# KiCad board RASRF2400WBMC.kicad_pcb (continued)
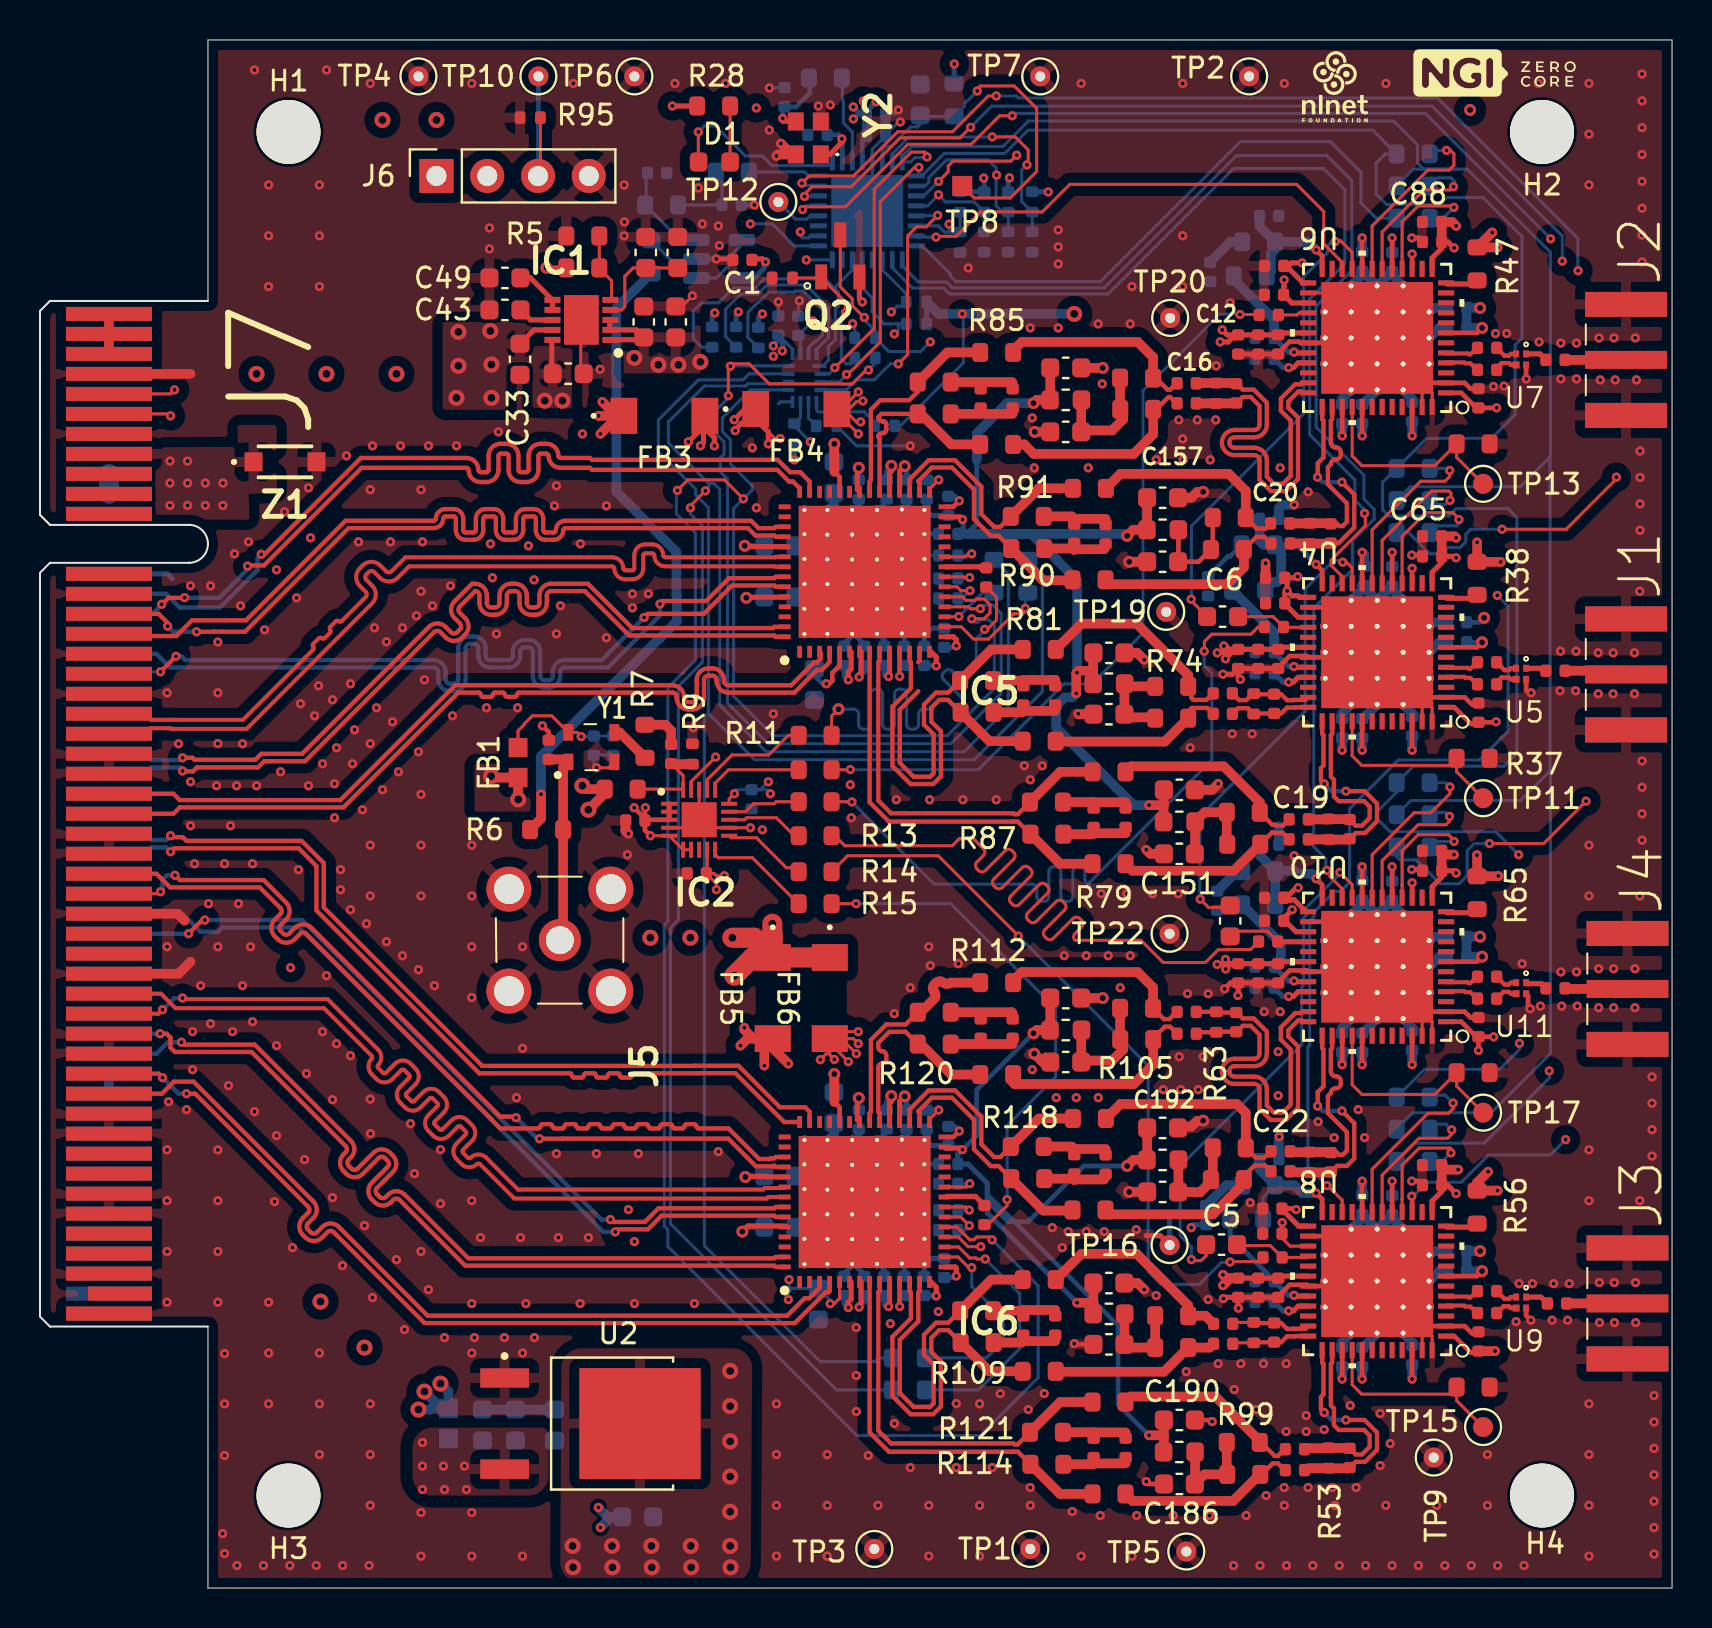
[diagram p0: board, top side]
## Nets (continued)
/uCONTROLLER&LLV-SHIFTER/LVL_SH_EN: IC3.26 R30.2 U3.7
/uCONTROLLER&LLV-SHIFTER/NRST: C53.1 IC3.6 R22.2 TP8.1
/uCONTROLLER&LLV-SHIFTER/OSC_VC: IC3.32 R3.1
/uCONTROLLER&LLV-SHIFTER/SCLK: IC3.25 J6.3 R95.2 TP10.1
/uCONTROLLER&LLV-SHIFTER/SPI_CS: IC3.22 R29.2 U3.1
/uCONTROLLER&LLV-SHIFTER/SPI_MISO: IC3.13 U3.4
/uCONTROLLER&LLV-SHIFTER/SWDIO: IC3.24 J6.2
Net-(C3-Pad1): C3.1 R2.2 R3.2
Net-(C36-Pad1): C36.1 C39.1 FB1.2 Y1.4
Net-(C44-Pad2): C44.2 R7.2
Net-(C81-Pad2): C81.2 R43.1
Net-(C104-Pad2): C104.2 R52.1
Net-(C127-Pad2): C127.2 R61.1
Net-(C150-Pad2): C150.2 R70.1
Net-(C151-Pad1): C151.1 L1.1 R71.1 R72.2
Net-(C152-Pad1): C152.1 L2.1 R73.1 R74.2
Net-(C153-Pad1): C153.1 L3.1 R75.1 R76.2
Net-(C154-Pad1): C154.1 L4.1 R77.1 R78.2
Net-(C159-Pad1): C159.1 C163.1 R87.1
Net-(C159-Pad2): C159.2 C163.2 R94.2
Net-(C160-Pad1): C160.1 C164.1 R88.1
Net-(C160-Pad2): C160.2 C164.2 R89.2
Net-(C161-Pad1): C161.1 C165.1 R90.1
Net-(C161-Pad2): C161.2 C165.2 R91.2
Net-(C162-Pad1): C162.1 C166.1 R92.1
Net-(C162-Pad2): C162.2 C166.2 R93.2
Net-(C186-Pad1): C186.1 L5.1 R98.1 R99.2
Net-(C187-Pad1): C187.1 L6.1 R100.1 R101.2
Net-(C188-Pad1): C188.1 L7.1 R102.1 R103.2
Net-(C189-Pad1): C189.1 L8.1 R104.1 R105.2
Net-(C194-Pad1): C194.1 C198.1 R114.1
Net-(C194-Pad2): C194.2 C198.2 R121.2
Net-(C195-Pad1): C195.1 C199.1 R115.1
Net-(C195-Pad2): C195.2 C199.2 R116.2
Net-(C196-Pad1): C196.1 C200.1 R117.1
Net-(C196-Pad2): C196.2 C200.2 R118.2
Net-(C197-Pad1): C197.1 C201.1 R119.1
Net-(C197-Pad2): C197.2 C201.2 R120.2
Net-(D1-A): D1.2 R28.1
Net-(D1-K): D1.1 IC3.1
Net-(IC1-BYP): C38.1 C40.1 IC1.4
Net-(IC1-EN): IC1.5 R4.1 R5.2
Net-(IC1-REF): C49.1 IC1.6 IC1.7
Net-(IC1-VREG): C43.1 IC1.8
Net-(IC2-CLKOUT1): IC2.17 R11.1
Net-(IC2-CLKOUT2): IC2.16 R10.1
Net-(IC2-CLKOUT3): IC2.14 R12.1
Net-(IC2-CLKOUT4): IC2.13 R13.1
Net-(IC2-CLKOUT5): IC2.11 R14.1
Net-(IC2-CLKOUT6): IC2.10 R15.1
Net-(IC3-PB4): IC3.28 TP12.1
Net-(IC3-PC14-OSCX_IN): C52.1 IC3.2 Y2.1
Net-(IC3-PC15-OSCX_OUT): IC3.3 R25.2
Net-(IC5-CLKM): C167.2 IC5.21
Net-(IC5-SCLK): IC5.16 R96.2
Net-(IC5-SDATA): IC5.17 R97.2
Net-(IC6-CLKM): C202.2 IC6.21
Net-(IC6-SCLK): IC6.16 R123.2
Net-(IC6-SDATA): IC6.17 R124.2
Net-(J5-I): C41.1 J5.5 R6.1 Y1.1
Net-(J7-+12V-PadA2): J7.A2 J7.A3
Net-(J7-+12V-PadB1): J7.B1 J7.B2 J7.B3
Net-(Q2-Pad1): Q2.1 R126.2 R127.2
Net-(R7-Pad1): R7.1 Y1.3
Net-(U1-+): C2.1 R2.1 U1.3
Net-(U1--): R1.2 U1.1 U1.4
Net-(U2-VIN): C35.1 C37.1 C42.1 FB2.1 U2.3
Net-(U3-DIR1): R34.1 U3.15
Net-(U3-DIR2): R33.1 U3.16
Net-(U3-DIR3): R32.1 U3.5
Net-(U3-DIR4): R31.1 U3.6
Net-(U4A-*SHDN): R38.2 U4.12
Net-(U4A-BYPASS): C76.2 U4.33
Net-(U4A-DIN): R41.2 U4.19
Net-(U4A-RSSI): R39.2 U4.16
Net-(U4A-RXHP): R37.2 TP11.1 U4.40
Net-(U4A-SCLK): R40.2 U4.18
Net-(U4A-TUNE): C79.2 R42.2 U4.32
Net-(U6A-*SHDN): R47.2 U6.12
Net-(U6A-BYPASS): C99.2 U6.33
Net-(U6A-DIN): R50.2 U6.19
Net-(U6A-RSSI): R48.2 U6.16
Net-(U6A-RXHP): R46.2 TP13.1 U6.40
Net-(U6A-SCLK): R49.2 U6.18
Net-(U6A-TUNE): C102.2 R51.2 U6.32
Net-(U8A-*SHDN): R56.2 U8.12
Net-(U8A-BYPASS): C122.2 U8.33
Net-(U8A-DIN): R59.2 U8.19
Net-(U8A-RSSI): R57.2 U8.16
Net-(U8A-RXHP): R55.2 TP15.1 U8.40
Net-(U8A-SCLK): R58.2 U8.18
Net-(U8A-TUNE): C125.2 R60.2 U8.32
Net-(U10A-*SHDN): R65.2 U10.12
Net-(U10A-BYPASS): C145.2 U10.33
Net-(U10A-DIN): R68.2 U10.19
Net-(U10A-RSSI): R66.2 U10.16
Net-(U10A-RXHP): R64.2 TP17.1 U10.40
Net-(U10A-SCLK): R67.2 U10.18
Net-(U10A-TUNE): C148.2 R69.2 U10.32
Net-(Y2-X2): C54.1 R25.1 Y2.3

Pads without a net: IC2 8; IC3 20 23 27; IC5 1 2 24 25 26 37 39 40 43 44 53 54; IC6 1 2 24 25 26 37 39 40 43 44 53 54; J7 A1 A5 A6 A7 A8 A11 A19 A32 A33 A39 A40 A43 A44 A47 A48 B9 B10 B11 B12 B17 B30 B31 B41 B42 B45 B46 B48; U4 3 6 8 9 10 11 14 23 29 34 42 43 44 45; U6 3 6 8 9 10 11 14 23 29 34 42 43 44 45; U8 3 6 8 9 10 11 14 23 29 34 42 43 44 45; U10 3 6 8 9 10 11 14 23 29 34 42 43 44 45

## Via types
v1: diameter 0.46, hole 0.2, Top to Bottom, 839 vias
v2: diameter 0.6, hole 0.3, Top to Bottom, 35 vias
v3: diameter 0.8, hole 0.4, Top to Bottom, 47 vias

## Routing (per net, layer and track width the routed paths; a pad name or vN(x,y) marks a point on that pad's centre or on a via; arc(x,y) is an arc through that point)
+1V8: length 50.8
  Top w0.152: FB4.1 35.8,58.45 36.76,57.49 v1(37.02,57.49) ; FB4.1 35.95,58.82 35.95,58.31 ; FB4.1 35.8,58.27 ; C45.1 33.33,35.72 33.83,35.22 v1(33.83,34.92) ; C45.1 33.37,35.78 IC2.9 ; C45.1 33.71,35.75 33.83,35.62 v1(34.23,35.62) ; v1(30.53,37.62) IC2.5 IC2.6 IC2.7 ; v1(33.79,41.56) 32.57,40.34 IC2.19 ; v1(34.73,39.72) 34.47,39.47 IC2.15
  Top w0.23: v1(30.28,39.03) 30.26,39 C47.1 ; IC2.3 30.3,38.42 C47.1 ; C47.1 30.26,38.49 v1(29.72,39.03) ; C47.1 30.26,37.89 v1(30.53,37.62)
  Top w0.254: v1(34.72,58.43) 35.25,58.97 FB4.1 ; 35.95,58.31 36.43,57.83 v1(36.43,57.22) ; v1(34.77,57.88) 34.89,58 34.89,58.05 35.11,58.27 35.8,58.27 ; IC2.3 IC2.2 IC2.1
  Top w0.483: v1(28.03,57.72) 28.93,58.62 FB3.1 ; v1(28.13,59.33) 28.51,58.94 28.88,58.94 FB3.1 ; FB3.1 v1(27.93,58.62) ; v3(27.13,40.12) 27.3,39.95 R8.2 28.25,39.74 v3(27.43,38.92)
  Top w1: v3(36.63,33.22) 36.63,32.62 36.65,32.61 FB5.1 ; v3(34.63,32.53) 35.73,32.53 36.65,31.61 FB5.1 ; FB6.1 FB5.1 ; FB5.1 35.64,31.54 v3(34.73,30.62)
  In2.Cu w0.152: v1(33.79,41.56) 33.79,41.59 33.83,41.62 35.73,41.62
  In2.Cu w0.483: v1(28.03,57.72) v1(27.13,57.72)
  In4.Cu w0.152: v1(36.68,61.61) 36.68,61.5 36.81,61.38 38.68,61.38 40.51,63.21 40.59,63.21 40.62,63.23 v1(40.65,63.23)
  Bottom w0.152: 37.05,62.34 37.05,62.55 C58.2 ; v1(34.73,39.72) 34.73,39.84 34.81,39.92 C46.1 ; U3.13 37.64,61.96 C58.2 ; v1(36.53,39.72) 36.33,39.92 C46.1 ; v1(36.43,40.33) 36.03,39.92 C46.1 ; v1(40.65,63.23) 40.59,63.18 40.59,63.16 40.75,63 R125.1 ; C58.2 36.83,62.56 36.83,62.28 v1(36.68,62.12)
  Bottom w0.254: 36.83,62.56 37.16,62.24 37.16,61.9 v1(37.13,61.88)
  vias: v3(26.64,2.1) v3(26.66,1.03) v3(28.61,2.1) v3(28.63,1.03) v3(30.53,32.53) v3(30.58,2.1) v3(30.6,1.03) v3(32.53,32.53) v3(32.55,2.1) v3(32.57,1.03) v3(34.52,10.86) v3(34.52,9.09) v3(34.52,7.34) v3(34.52,5.57) v3(34.52,3.81) v3(34.52,2.1) v3(34.54,1.03)
+3V3: length 139.5
  Top w0.23: U6.7 71.88,62.77 v2(72.13,63.03) ; v2(72.13,47.3) 71.88,47.05 U4.7 ; U10.7 71.88,31.32 v2(72.13,31.57) ; v2(72.13,15.85) 71.88,15.6 U8.7
  Top w0.254: C1.1 35.66,66.47 36.13,66.47 36.28,66.32 v1(36.29,66.32) ; C33.1 24.7,62.92 25.6,62.92 ; R4.2 25.34,66.02 v2(25.33,66.03) ; U10.13 69.63,35.08 70.11,35.55 C130.2 70.78,35.87 70.83,35.82 v1(70.83,35.76) ; R28.2 v1(31.63,74.12) ; 25.6,62.42 25.6,60.78 C34.1 ; v1(70.83,19.72) 70.41,20.15 C107.2 70.11,19.83 69.63,19.35 U8.13 ; U4.13 69.63,50.8 70.11,51.28 C61.2 70.76,51.6 v1(70.83,51.53) ; U6.13 69.63,66.53 70.11,67 C84.2 70.43,67.32 v1(70.73,67.03)
  Top w0.483: C107.2 C111.2 70.33,20.92 v1(70.93,20.92) ; v1(70.72,36.68) 70.31,36.68 C134.2 C130.2 ; v3(23.92,39.44) 23.91,39.45 FB1.1 22.63,40.54 v3(22.56,40.61) ; C61.2 C65.2 70.76,52.6 v1(70.83,52.53) ; C84.2 C88.2 70.63,68.32 v1(70.83,68.12)
  In2.Cu w0.127: v1(35.83,74.03) 36.43,74.03 38.63,76.22 v1(45.73,76.22)
  In2.Cu w0.254: J6.1 19.83,72.83
  In2.Cu w0.483: v3(51.73,63.72) 52.33,64.33 52.33,69.42 52.03,69.72 ; 14.33,59.33 14.33,48.83 v3(22.56,40.61)
  In3.Cu w0.152: v1(46.13,63.72) 46.18,63.67 46.18,59.17 45.48,58.47 42.98,58.47 41.09,56.58 40.72,56.58 40.47,56.33 37.83,56.33 v1(37.73,56.42)
  In3.Cu w0.483: 36.03,64.42 36.03,64.33 36.38,63.98 36.38,63.96 36.71,63.62 38.4,63.62 38.6,63.42 v1(38.65,63.38)
  Bottom w0.152: 38.04,62.64 U3.14 ; C57.2 38.4,63.12 38.4,63.13 38.58,63.31 38.58,63.35 38.6,63.38 v1(38.65,63.38) ; R32.2 43.03,58.12 46.18,61.28 46.18,63.67 v1(46.13,63.72)
  Bottom w0.23: v2(72.23,48.53) 72,48.3 C60.2 ; IC3.4 41.13,72.39 41.36,72.62 ; v2(72.13,47.3) C63.2
  Bottom w0.254: v1(33.75,63.78) 33.62,63.65 R29.1 ; U1.5 35.73,65.52 36.23,66.02 36.23,66.42 36.29,66.36 v1(36.29,66.32) ; v1(50.43,69.83) 49.65,69.83 49.64,69.83 R27.2 ; R26.2 48.43,70.47 v1(48.49,70.53) ; R33.2 34.82,63.72 v1(34.93,63.83) ; v1(36.13,63.72) 35.93,63.53 R34.2 ; C55.1 41.33,73.78 41.18,73.92 v1(41.18,74.38) ; C55.1 41.03,73.72 v1(40.68,74.08) ; C55.1 41.33,73.84 v1(41.82,74.33) ; C55.1 40.93,73.72 v1(40.68,73.47) ; R22.1 45.72,76.22 v1(45.73,76.22) ; R17.1 R16.2 ; R23.2 R24.2 47.23,70.49 v1(47.2,70.52) ; R30.1 v1(37.73,56.42)
  Bottom w0.483: FB2.2 20.08,8.97 v3(19.23,9.82) ; FB2.2 19.58,8.97 19.53,8.93 v3(18.93,8.93) ; FB2.2 20.43,9.82 v3(20.03,10.22) ; 41.36,72.62 41.36,73.72 ; v2(72.03,64.02) C83.2 C86.2 v2(72.13,63.02) ; R17.1 44.95,63.72 v1(46.13,63.72) v3(51.73,63.72) ; v2(72.13,31.57) C132.2 C129.2 v2(72.03,32.57) ; v2(72.03,16.85) C106.2 C109.2 v2(72.13,15.85)
  Bottom w1: J7.A10 J7.A9
  vias: v1(6.5,56.36) v1(6.5,55.27) v1(6.5,54.14) v1(7.38,56.36) v1(7.38,55.27) v1(7.38,54.14) v1(8.27,55.27) v1(8.27,54.14) v1(9.15,55.27) v1(9.15,54.14) v1(12.53,31.03) v2(71.53,73.92) v3(10.83,60.72) v3(14.03,14.33) v3(14.33,60.72) v3(16.23,12.03) v3(17.13,73.42) v3(17.83,60.72) v3(19.83,73.42) v3(20.83,59.53) v3(20.93,62.83) v3(20.93,61.12) v3(22.52,62.87) v3(22.58,61.19) v3(22.58,59.53) v3(25.25,59.39) v3(26.13,59.39)
+3V_RF: length 108.6
  Top w0.152: 31.93,62.42 C51.1 ; v3(33.03,61.33) 32.81,61.55 32.8,61.55 ; 30.2,62.3 C50.1 ; C50.1 30.23,62.52 ; C50.1 30.08,62.44 ; v3(30.93,61.18) 30.83,61.28 ; U8.27 62.53,17.1 62.11,17.52 62.11,17.72 62.1,17.73 62.1,18.09 62.13,18.12 v1(62.13,18.28)
  Top w0.23: v1(66.13,51.8) 66.13,50.25 U4.20 ; C138.1 72.7,27.57 v1(72.71,27.56) ; C138.1 v1(71.95,26.89) ; C138.1 71.87,27.49 71.87,27.54 71.09,28.32 U10.1 ; U10.41 v1(66.13,26.18) ; U4.39 65.14,43.34 65.14,41.91 v1(65.13,41.9) ; v1(67.63,36.07) U10.17 ; 68.63,57.72 U6.46 ; v1(65.13,10.45) 65.14,10.46 65.14,11.89 U8.39 ; U8.1 70.74,12.6 71.57,11.77 71.63,11.77 ; v1(72.83,43.33) 72.8,43.3 C69.1 ; v1(66.13,20.35) 66.13,18.8 U8.20 ; U6.1 71.09,59.77 71.87,59 71.87,58.94 C92.1 v1(72.86,59.03) ; U8.41 66.13,10.45 v1(66.13,10.45) ; 68.63,42 U4.46 ; U6.41 v1(66.13,57.63) ; v1(67.63,20.35) 67.63,18.8 U8.17 ; v1(65.13,57.62) 65.14,57.63 65.14,59.07 U6.39 ; U10.39 65.14,27.62 65.14,26.18 v1(65.13,26.17) ; v1(66.13,41.9) 66.13,41.9 U4.41 ; 68.63,10.55 U8.46 ; v1(66.13,36.07) U10.20 ; U4.1 70.74,44.05 71.57,43.22 71.63,43.22 ; v1(67.63,51.8) 67.63,50.25 U4.17 ; v1(66.13,67.53) U6.20 ; 68.63,26.27 U10.46 ; v1(67.63,67.53) U6.17
  Top w0.254: 62.31,66.03 62.36,66.03 62.61,66.28 v1(63.13,66.28) ; 62.31,66.03 62.43,66.03 63.18,65.27 U6.25 ; 62.31,66.03 C87.1 ; C105.2 C113.1 C121.2 62.03,15.6 U8.30 ; C128.2 59.02,31.22 58.98,31.19 v1(58.88,31.19) ; C128.2 59.57,31.22 v1(59.31,30.96) ; C128.2 C136.1 C144.2 62.03,31.32 U10.30 ; C128.2 59.51,31.22 v1(59.29,31.44) ; v1(62.63,33.92) 62.21,33.5 C142.2 62.27,33.38 62.82,32.82 U10.27 ; C82.2 C90.1 C98.2 62.03,62.77 U6.30 ; C82.2 59.38,62.67 v1(59.13,62.92) ; C82.2 59.78,62.67 59.43,62.33 v1(59.03,62.33) ; v1(62.93,35.03) 62.83,35.03 62.33,34.53 C133.1 62.33,34.41 62.55,34.41 62.57,34.42 62.73,34.42 63.33,33.82 U10.25 ; v1(62.38,49.87) 62.63,49.62 62.93,49.62 63.01,49.55 U4.25 ; v1(62.38,49.87) 62.26,49.75 C73.2 62.26,49.22 62.94,48.55 U4.27 ; v1(62.38,49.87) 62.38,50.4 C64.1 62.84,50.53 v1(62.91,50.59) ; 30.08,62.44 28.51,62.44 ; U8.25 62.96,18.1 62.12,18.94 C110.1 62.78,18.97 v1(62.83,18.92) ; C59.2 59.78,46.8 58.89,46.8 58.88,46.79 v1(58.88,46.77) ; C59.2 C67.1 C75.2 62.03,47.05 U4.30 ; C59.2 59.48,46.95 59.32,47.12 v1(59.22,47.12) ; C59.2 59.76,46.95 59.36,46.55 59.36,46.54 v1(59.3,46.48) ; 62.12,49.41 62.1,49.39 ; 28.5,63.42 28.5,62.92 29.82,62.92 C50.1 ; U6.27 62.61,64.27 C96.2 62.2,65.09 62.23,65.12 v1(62.23,65.42)
  Top w0.483: v1(59.17,15.14) 59.53,15.5 C105.2 59.34,15.5 v1(59.17,15.67) ; v1(71.87,36.66) 71.88,36.64 R65.1 72.92,35.6 v1(72.94,35.61) ; v1(72.43,20.83) 71.88,20.28 R56.1 v1(72.91,19.87) ; C115.1 72.77,11.85 v1(72.78,11.86) ; v1(71.88,52.3) R38.1 73.05,51.32 v1(73.06,51.31) ; v1(72.64,67.8) 72.63,67.8 R47.1 v1(72.91,67.05)
  Bottom w0.23: C93.1 v1(67.63,67.53) ; C139.1 v1(67.63,36.07) ; C116.1 v1(67.63,20.35) ; C70.1 v1(67.63,51.8)
  Bottom w0.483: C62.1 66.24,51.69 v1(66.13,51.8) ; C143.1 65.13,26.27 ; C85.1 v1(66.13,67.53) ; C66.1 68.63,42 ; C120.1 65.13,10.55 ; C112.1 68.63,10.55 ; C74.1 65.13,42 ; C97.1 65.13,57.72 ; C89.1 68.63,57.72 ; C91.1 66.13,57.72 ; C68.1 66.13,42 ; C135.1 68.63,26.27 ; C131.1 v1(66.13,36.07) ; C114.1 66.13,10.55 ; C108.1 v1(66.13,20.35) ; C137.1 66.13,26.27
  vias: v1(68.63,57.62) v1(68.63,41.9) v1(68.63,26.17) v1(68.63,10.45) v3(29.73,61.53) v3(31.93,61.18)
/ADC_1/1V8_AVDD: length 30.8
  Top w0.152: v1(41.05,58.33) 40.93,58.33 40.83,58.33 40.19,58.97 FB4.2 ; v1(40.93,59.83) 40.07,58.97 FB4.2 ; FB4.2 40.37,58.97 ; FB4.2 40.47,58.97 40.85,59.34 41.13,59.34 v1(41.16,59.37) ; FB4.2 39.86,58.8 v1(40.93,57.72) ; IC5.29 44.5,54.97 v1(44.95,55.42) ; IC5.20 45.87,50.07 46.06,49.88 v1(46.52,49.88) ; IC5.23 46.3,51.57 46.45,51.72 v1(46.6,51.72)
  Top w0.23: IC5.11 43,45.53 ; 45.32,54.07 45.68,54.07 v1(45.98,54.38)
  Top w0.254: v1(45.83,47.12) 45.83,47.44 45.69,47.57 45.32,47.57 ; v1(40.97,45.56) 40.97,45.68 41.07,45.78 41.07,46.82 ; IC5.10 42.5,45.65 v1(42.44,45.59) ; v2(42.58,56.12) 42.58,55.85 42.5,55.77 IC5.33 ; v1(40.43,45.42) 40.43,45.83 40.57,45.97 40.57,46.82 ; IC5.36 40.88,54.94 40.88,55.95 v2(40.95,56.03) ; IC5.32 43,55.87 43.24,56.11 v2(43.25,56.11) ; v1(44.83,46.12) 44.83,46.57 44.57,46.82
  Bottom w0.152: C177.1 46.37,51.64 46.45,51.72 v1(46.6,51.72) ; C175.1 46.12,49.5 46.43,49.81 46.44,49.81 v1(46.52,49.88)
  Bottom w0.23: C179.1 43,45.92 43,45.53
  Bottom w0.254: C185.1 41.23,45.83 v1(40.97,45.56) ; C174.1 43.35,56.03 43.27,56.11 v2(43.25,56.11) ; v1(45.98,54.38) 45.75,54.61 C181.1 ; C169.1 v2(40.95,56.03) ; C184.1 42.23,45.69 42.32,45.59 v1(42.44,45.59) ; v1(45.83,47.12) 45.75,47.05 45.33,47.05 ; C182.1 44.81,46.14 v1(44.83,46.12) ; 44.43,55.42 45.03,55.42 ; v1(40.43,45.42) 40.23,45.62 C183.1 ; C170.1 42.35,55.83 42.58,56.05 v2(42.58,56.12)
  vias: v1(43,45.59)
/ADC_1/1V8_DVDD: length 17.3
  Top w0.152: 33.19,58.07 33.19,58.55 FB3.2 33.26,58.15
  Top w0.23: IC5.5 40,46.13 39.63,45.77 39.63,45.38 39.48,45.22 v1(39.33,45.22) ; 39.73,55.83 40,55.57 IC5.38
  Top w0.254: v1(32.43,57.33) 33.26,58.15 ; 33.19,58.07 33.73,57.53 v1(33.73,57.12) ; v2(35.25,52.13) 35.25,52.13 35.29,52.08 37.31,52.08 ; 33.19,58.55 33.19,57.28 v1(33.03,57.12) ; v2(35.33,49.53) 35.36,49.56 37.3,49.56
  Top w0.483: v2(39.73,57.22) 39.73,55.83
  Bottom w0.23: C178.1 38.73,45.62 39.13,45.22 v1(39.33,45.22)
  Bottom w0.254: C173.1 36.19,49.53 v2(35.33,49.53) ; v2(35.25,52.13) 35.33,52.13 35.33,52.12 C171.1
  Bottom w0.483: C176.1 39.71,57.21 v2(39.73,57.22)
/ADC_2/1V8_AVDD: length 32.5
  Top w0.152: v1(46.5,20.22) 46.34,20.06 IC6.23 ; v1(46.48,18.12) 46.05,18.56 IC6.20 ; FB6.2 39.51,26.66 v1(39.73,26.44) ; FB6.2 39.51,26.9 v1(39.03,26.42) ; FB6.2 39.51,27.45 40.11,27.45 v1(40.83,26.72) ; FB6.2 39.51,27.25 v1(40.43,26.33) ; FB6.2 39.85,27.83 v1(40.93,27.83) ; FB6.2 40.68,27.48 v1(40.93,27.22) ; v1(44.95,23.91) 44.5,23.45 IC6.29
  Top w0.23: IC6.11 43,14.01 ; 45.32,22.56 45.68,22.56 v1(45.98,22.86)
  Top w0.254: IC6.10 42.5,14.13 v1(42.44,14.08) ; 40.57,15.31 40.57,14.45 40.43,14.31 v1(40.43,14.03) ; 44.57,15.31 44.83,15.05 v1(44.83,14.61) ; IC6.33 42.5,24.25 42.58,24.33 v2(42.58,24.61) ; IC6.36 40.88,23.42 40.88,24.44 v2(40.95,24.51) ; IC6.32 43,24.35 43.24,24.59 v2(43.25,24.59) ; 45.32,16.06 45.78,16.06 45.83,16.01 v1(45.83,15.61) ; 41.07,15.31 41.07,14.27 40.97,14.17 v1(40.97,14.05)
  Bottom w0.152: v1(46.48,18.12) 46.25,17.9 C210.1 ; C212.1 v1(46.5,20.22)
  Bottom w0.23: C214.1 43,14.4 43,14.01
  Bottom w0.254: v2(43.25,24.59) 43.27,24.59 43.35,24.52 C209.1 ; v1(40.43,14.03) 40.23,14.22 C218.1 ; C216.1 45.75,23.09 v1(45.98,22.86) ; 44.43,23.91 45.03,23.91 ; C220.1 41.23,14.31 v1(40.97,14.05) ; C217.1 44.81,14.63 v1(44.83,14.61) ; C204.1 v2(40.95,24.51) ; C205.1 42.35,24.31 42.58,24.53 v2(42.58,24.61) ; v1(45.83,15.61) 45.75,15.53 45.33,15.53 ; v1(42.44,14.08) 42.32,14.08 42.23,14.17 C219.1
  vias: v1(43,14.08)
/ADC_2/1V8_DVDD: length 22.7
  Top w0.152: IC6.5 40,14.49 39.72,14.22 v1(39.52,14.22)
  Top w0.23: 39.73,24.31 40,24.05 IC6.38
  Top w0.254: v2(35.28,20.56) 35.31,20.58 36.34,20.58 36.36,20.56 37.31,20.56 ; v2(35.13,17.83) 35.41,18.11 37.27,18.11
  Top w0.483: v2(39.73,25.71) 39.73,24.31 ; FB5.2 35.38,27.48 v1(35.03,27.12) ; FB5.2 36.65,27 v1(37.43,26.22) ; FB5.2 36.23,27.06 v1(36.23,26.12) ; FB5.2 35.68,27.48 35.23,27.92 v1(35.23,28.03)
  Bottom w0.152: v1(39.52,14.22) 39.52,14.39 C213.1 ; C213.1 37.63,14.98 37.43,14.78 v1(37.43,14.42) ; C213.1 37.57,14.98 37.47,15.09 v1(37.47,15.42)
  Bottom w0.254: v2(35.28,20.56) 35.33,20.61 C206.1 ; C208.1 35.29,18.04 35.13,17.88 v2(35.13,17.83)
  Bottom w0.483: v2(39.73,25.71) 39.71,25.69 C211.1
GND: length 247.8
  Top w0.152: U8.47 69.13,13.1 U8.49 69.63,12.6 U8.48 ; IC2.18 IC2.21 ; IC2.21 33.37,38.03 IC2.12 v1(35.53,38.03) ; IC2.21 32.57,38.03 IC2.4 ; U10.47 69.13,28.82 U10.49 69.63,28.32 U10.48 ; U6.49 69.13,60.27 U6.47 ; U6.49 64.63,64.77 U6.26 ; U6.49 69.63,59.77 U6.48 ; C51.2 32.1,64.1 v1(32.63,64.62) ; Y1.2 28.44,41.03 v1(27.84,41.03) ; U4.48 69.63,44.05 U4.49 69.13,44.55 U4.47 ; Y2.4 37.73,71.62 ; 27.05,63.42 27.05,60.88 C34.2
  Top w0.23: v1(55.33,5.32) 55.45,5.2 C186.2 ; U10.26 64.63,33.32 U10.49 66.63,30.82 U10.31 63.36,30.89 62.5,30.89 61.93,30.31 C144.1 ; 71.63,12.73 71.26,13.1 U8.2 69.13,13.1 ; 71.63,44.18 71.26,44.55 U4.2 69.13,44.55 ; v1(25.13,43.12) 25.45,42.81 C41.2 ; 69.13,28.82 U10.2 71.26,28.82 71.55,28.53 C138.2 ; v1(58.63,8.32) 58.55,8.4 C190.2 ; v1(74.34,60.47) 74.33,60.48 U7.4 ; C121.1 61.93,14.59 62.5,15.16 63.36,15.16 U8.31 66.63,15.1 U8.49 64.63,17.6 U8.26 ; v1(74.57,13.39) 74.33,13.63 U9.4 ; v1(74.58,44.78) 74.46,44.78 74.33,44.91 U5.4 ; C92.2 71.55,59.98 71.26,60.27 U6.2 69.13,60.27 ; C98.1 61.93,61.76 62.5,62.34 62.98,62.34 63.04,62.27 U6.31 66.63,62.27 U6.49 ; C75.1 61.93,46.04 62.5,46.61 63.36,46.61 U4.31 66.63,46.55 U4.49 64.63,49.05 U4.26 ; v1(51.73,12.22) 51.77,12.19 C187.2 ; v1(74.53,28.97) 74.53,29.06 74.43,29.16 74.43,29.63 U11.4
  Top w0.254: v1(68.61,67.53) 68.95,67.53 C84.1 ; C107.1 68.95,20.35 v1(68.61,20.35) ; C59.1 59.93,45.55 v1(60.04,45.44) ; C59.1 59.65,45.7 v1(59.17,45.7) ; C59.1 C75.1 ; v1(33.83,66.47) 34.6,66.47 C1.2 ; v1(68.61,51.66) 69.09,51.66 C61.1 ; C105.1 C121.1 ; C105.1 59.26,14.54 v1(59.19,14.48) ; C105.1 59.93,14 v1(59.94,14) ; C130.1 69.09,35.93 v1(68.61,35.93) ; 55.33,17.62 56.03,17.62 TP16.1 ; C128.1 59.55,30.26 v1(59.25,29.97) ; C128.1 C144.1 ; C128.1 59.93,29.65 v1(59.92,29.64) ; Q2.2 40.99,64.47 v1(41.13,64.33) ; C82.1 C98.1
  Top w0.483: 57.88,23.37 57.58,23.08 56.93,23.08 ; C155.2 58.63,39.92 v1(58.93,40.22) ; v1(55.33,36.92) 55.53,36.72 C151.2 ; v2(54.48,19.81) 54.48,19.81 C188.2 ; 7.53,31.33 6.93,30.72 J7.B32 ; C156.2 54.88,46.77 v1(55.23,46.42) ; C157.2 57.58,54.53 57.88,54.83 ; C158.2 v2(53.15,61.03) ; v1(37.06,72.25) 37.6,71.7 Y2.4 36.91,71.7 v1(36.83,71.62) ; v2(49.73,26.72) 50.15,26.31 C189.2 ; C154.2 v2(49.75,57.83) ; 7.23,33.37 6.88,33.73 J7.B29 ; v1(51.93,43.72) 51.95,43.7 C152.2 ; C193.2 v2(53.15,29.51) ; v2(54.48,51.33) 54.48,51.33 C153.2 ; v1(55.23,14.92) 54.9,15.25 C191.2 ; v1(61.3,51.25) C64.2 ; J7.A4 7.53,60.72 ; v1(29.43,37.72) 29.28,37.88 29.28,38.36 C47.2
  Bottom w0.152: v1(36.48,75.03) 36.79,75.03 36.81,75.05 C54.2 ; 36.93,59.22 37.03,59.32 U3.8 ; C177.2 44.42,51.64 IC5.V ; v1(36.93,64.33) C58.1 ; R31.2 39.85,58.12 40.84,57.12 v1(43.53,57.12) ; IC3.33 41.63,69.12 IC3.5 41.63,71.96 C56.2 42.29,72.69 42.93,73.33 v1(43.03,73.33) ; v1(27.84,41.03) 27.7,41.17 C36.2 C39.2 ; v1(37.99,64.38) 37.93,64.33 C57.1 ; v1(42.93,73.92) 42.73,73.72 C55.2
  Bottom w0.23: v1(35.73,69.17) 35.37,69.17
  Bottom w0.254: C168.2 44.33,52.72 44.31,52.7 ; 38.31,51.46 37.78,52 C171.2 37.78,52.17 38.31,52.7 ; 56.48,18.42 56.5,18.41 TP16.1 ; 44.43,22.95 44.43,22.53 44.31,22.41 44.59,22.13 C216.2 ; 45.33,16.49 44.59,16.49 44.31,16.21 ; 41.03,54.47 41.03,54.25 40.7,53.92 ; 41.94,47.72 42.23,47.44 C184.2 ; 40.7,22.41 41.03,22.74 41.03,22.95 ; 38.31,48.98 37.78,49.52 C173.2 37.78,49.69 38.31,50.22 ; C185.2 41.23,47.2 40.7,47.72 40.23,47.25 C183.2 ; C214.2 43.23,16.18 43.18,16.23 ; 41.94,53.92 42.43,54.41 42.43,54.47 ; 6.63,50.47 6.38,50.72 J7.A12 ; 44.31,16.21 44.23,16.13 C217.2 ; 44.31,16.21 44.34,16.18 ; 44.31,47.72 44.23,47.64 C182.2 ; 44.31,47.72 44.34,47.69 ; 44.31,47.72 44.59,48 45.33,48 ; 43.42,22.95 43.42,22.67 43.18,22.43 ; C218.2 40.23,15.74 40.7,16.21 41.23,15.68 C220.2 ; C219.2 42.23,15.92 41.94,16.21 ; C203.2 44.33,21.21 44.31,21.19 ; C127.1 57.72,18.17 v1(57.58,18.03) ; 42.43,22.95 42.43,22.9 41.94,22.41 ; C181.2 44.59,53.64 44.31,53.92 44.43,54.04 44.43,54.47 ; 38.31,18.71 37.78,18.18 C208.2 37.78,18 38.31,17.47 ; C179.2 43.23,47.7 43.18,47.74 ; v1(33.83,66.47) U1.2 ; 43.18,53.94 43.42,54.18 43.42,54.47 ; 38.31,19.95 37.78,20.48 C206.2 37.78,20.66 38.31,21.19
  Bottom w0.483: C68.2 66.16,43.48 U4.V ; C97.2 65.13,59.47 U6.V ; C135.2 68.63,28.03 U10.V ; C176.2 39.71,54.18 39.46,53.92 ; U4.V 69.98,47.3 C63.1 ; U8.V 65.13,12.3 C120.2 ; C143.2 65.13,28.02 U10.V ; v1(62.73,54.17) 62.13,54.17 61.96,54.01 C80.1 ; C132.1 69.98,31.57 U10.V ; U4.V 67.63,49.95 C70.2 67.6,50.12 U4.V 66.14,50.14 66.13,50.14 66.13,49.95 U4.V ; C106.1 69.68,16.85 U8.V ; U10.V 66.13,34.22 C131.2 66.14,34.41 U10.V 67.6,34.39 C139.2 67.63,34.23 U10.V ; v1(28.03,3.03) 28.56,3.56 C48.2 28.4,3.56 v1(27.93,4.03) ; U8.V 68.63,12.3 C112.2 ; U4.V 65.13,43.75 C74.2 ; C56.2 C55.2 ; C86.1 69.98,63.02 U6.V ; C37.2 C35.2 C42.2 22.08,8.97 ; C109.1 69.98,15.85 U8.V ; C137.2 66.16,27.75 U10.V ; U6.V 66.16,59.2 C91.2 ; J7.A37 J7.A38 ; U6.V 66.13,65.67 C85.2 66.14,65.86 U6.V 67.6,65.84 C93.2 67.63,65.68 U6.V ; v1(61.98,22.57) 61.96,22.56 C126.1 ; U8.V 66.13,18.5 C108.2 66.14,18.69 U8.V 67.6,18.67 C116.2 67.63,18.5 U8.V ; U4.V 68.63,43.75 C66.2 ; C211.2 39.71,22.66 39.46,22.41 ; U10.V 69.68,32.57 C129.1 ; U6.V 69.68,64.02 C83.1 ; C114.2 66.16,12.03 U8.V ; C89.2 68.63,59.48 U6.V ; C60.1 69.68,48.3 U4.V ; C149.1 61.96,38.1
  vias: v1(6.36,44.77) v1(6.36,32.07) v1(6.36,21.91) v1(6.36,19.37) v1(6.36,16.83) v1(6.36,14.29) v1(6.43,24.33) v1(6.93,42.22) v1(7.33,23.92) v1(7.53,50.12) v1(7.53,40.33) v1(7.53,38.12) v1(7.63,27.83) v1(7.63,25.92) v1(7.73,36.22) v1(8.03,30.12) v1(8.43,34.22) v1(8.53,50.12) v1(8.53,28.22) v1(8.83,40.12) v1(8.9,47.31) v1(8.9,44.77) v1(8.9,42.23) v1(8.9,32.07) v1(8.9,21.91) v1(8.9,19.37) v1(8.9,16.83) v1(8.9,14.29) v1(9.13,2.72) v1(9.23,36.22) v1(9.23,11.72) v1(9.23,9.21) v1(9.23,6.62) v1(9.23,1.72) v1(9.43,25.12) v1(9.53,38.12) v1(9.63,27.83) v1(9.73,51.72) v1(9.83,40.12) v1(9.85,1.12) v1(9.93,34.22) v1(10.03,49.12) v1(10.13,42.22) v1(10.13,30.12) v1(10.43,52.33) v1(10.53,32.07) v1(10.63,36.22) v1(10.63,28.33) v1(10.73,75.92) v1(10.73,23.83) v1(10.83,40.12) v1(11.18,1.12) v1(11.23,47.92) v1(11.44,70.17) v1(11.44,67.63) v1(11.44,65.09) v1(11.44,14.29) v1(11.44,11.75) v1(11.44,9.21) v1(11.73,19.33) v1(11.83,50.92) v1(11.83,27.12) v1(11.83,22.62) v1(12.03,40.83) v1(12.23,53.83) v1(12.5,1.12) v1(12.63,17.03) v1(12.83,49.53) v1(12.93,35.92) v1(13.03,44.22) v1(13.23,21.42) v1(13.33,25.72) v1(13.43,55.03) v1(13.43,40.12) v1(13.53,52.53) v1(13.73,43.62) v1(13.82,1.12) v1(13.98,70.17) v1(13.98,67.63) v1(13.98,65.09) v1(13.93,45.12) v1(13.98,11.75) v1(13.98,9.21) v1(13.98,6.67) v1(14.13,41.22) v1(14.13,27.83) v1(14.33,75.92) v1(14.33,30.62) v1(14.63,44.42) v1(14.63,24.42) v1(14.63,19.53) v1(14.73,40.22) v1(14.73,38.53) v1(14.83,42.03) v1(14.83,27.22) v1(15.03,35.92) v1(15.03,34.92) v1(15.13,16.12) v1(15.14,1.12) v1(15.33,56.62) v1(15.53,45.22) v1(15.53,33.92) v1(15.53,26.62) v1(15.63,41.22) v1(15.73,42.92) v1(15.93,52.33) v1(16.13,38.92) v1(16.23,18.12) v1(16.33,33.22) v1(16.46,1.12) v1(16.52,75.25) v1(16.52,54.93) v1(16.52,42.23) v1(16.52,37.15) v1(16.52,34.61) v1(16.52,24.45) v1(16.53,22.72) v1(16.52,9.21) v1(16.52,6.67) v1(16.52,4.13) v1(16.63,57.12) v1(16.63,14.53) v1(16.73,48.03) v1(16.83,44.03) v1(17.13,39.92) v1(17.33,47.33) v1(17.33,32.33) v1(17.53,52.33) v1(17.63,43.33) v1(17.83,16.42) v1(17.93,40.83) v1(18.03,57.12) v1(18.13,48.03) v1(18.13,31.62) v1(18.23,12.92) v1(18.53,23.22) v1(18.73,20.72) v1(18.83,48.62) v1(18.93,41.83) v1(18.93,30.92) v1(19.06,54.93) v1(19.06,49.85) v1(19.06,39.69) v1(19.06,37.15) v1(19.06,34.61) v1(19.06,16.83) v1(19.06,3.78) v1(19.06,1.59) v1(19.13,52.33) v1(19.23,45.42) v1(19.43,57.12) v1(19.43,14.92) v1(19.63,49.12) v1(19.73,30.12) v1(20.03,21.92) v1(20.03,19.22) v1(20.23,12.53) v1(20.53,50.12) v1(20.63,43.62) v1(20.83,57.12) v1(21.6,75.25) v1(21.6,37.15) v1(21.6,34.61) v1(21.6,32.07) v1(21.6,29.53) v1(21.6,19.37) v1(21.6,14.22) v1(21.6,11.75) v1(21.6,3.78) v1(21.6,1.59) v1(21.73,12.53) v1(22.03,17.53) v1(22.33,44.03) v1(22.48,68.03) v1(22.48,66.97) v1(22.53,52.22) v1(22.63,50.53) v1(22.83,47.72) v1(22.93,57.83) v1(23.23,12.53) v1(23.83,24.53) v1(23.89,44.03) v1(24.03,17.53) v1(24.14,32.07) v1(24.14,26.99) v1(24.14,11.75) v1(24.14,1.59) v1(24.31,14.22) v1(24.43,52.12) v1(24.71,50.42) v1(24.73,12.53) v1(25.73,54.12) v1(25.83,55.12) v1(25.83,47.72) v1(25.83,21.72) v1(25.93,17.53) v1(26.03,49.12) v1(26.68,75.25) v1(27.03,52.22) v1(27.02,14.22) v1(27.43,17.53) v1(27.83,21.72) v1(28.01,60.96) v1(28.33,54.12) v1(28.33,47.53) v1(29.22,70.17) v1(29.23,68.33) v1(29.22,67.63) v1(29.38,36.67) v1(29.43,18.92) v1(29.63,49.72) v1(29.63,49.03) v1(29.73,17.33) v1(29.73,14.22) v1(29.93,21.72) v1(30.43,49.72) v1(31.76,75.25) v1(32.68,43.03) v1(32.73,14.22) v1(32.93,70.03) v1(33.13,68.22) v1(33.93,68.12) v1(33.98,67.14) v1(33.93,21.83) v1(34.3,75.25) v1(35.63,57.03) v1(35.83,54.03) v1(36.13,37.92) v1(36.48,72.92) v1(36.68,43.72) v1(36.84,9.21) v1(36.84,6.67) v1(36.84,4.13) v1(36.84,1.59) v1(38.93,74.12) v1(39.38,6.67) v1(39.38,4.13) v1(39.38,1.59) v1(39.53,74.17) v1(40.53,40.17) v1(40.58,38.53) v1(40.83,13.03) v1(40.83,10.62) v1(40.83,8.82) v1(41.43,6.62) v1(41.92,4.13) v1(42.53,13.22) v1(42.73,28.72) v1(42.73,8.22) v1(42.83,39.42) v1(43.53,30.03) v1(43.53,6.03) v1(44.46,32.07) v1(44.46,4.13) v1(44.46,1.59) v1(44.5,39.42) v1(44.53,31.12) v1(44.93,13.83) v1(45.83,9.22) v1(45.83,6.03) v1(45.93,31.22) v1(46.16,39.42) v1(46.43,66.03) v1(47,9.21) v1(47,4.13) v1(47,1.59) v1(47.63,6.03) v1(47.83,39.42) v1(48.03,9.72) v1(49.23,41.12) v1(49.43,8.93) v1(49.53,63.03) v1(49.53,40.42) v1(49.53,5.03) v1(49.54,4.13) v1(49.63,58.53) v1(49.63,25.92) v1(49.73,56.03) v1(50.13,41.12) v1(50.23,9.72) v1(50.63,18.03) v1(50.83,24.53) v1(50.93,67.92) v1(50.93,67.08) v1(50.93,66.22) v1(50.93,63.03) v1(51.13,17.03) v1(51.23,31.62) v1(51.43,17.83) v1(51.63,3.82) v1(51.83,24.53) v1(52.08,75.25) v1(52.08,1.59) v1(52.33,31.62) v1(52.33,17.83) v1(52.43,56.03) v1(52.93,63.22) v1(52.93,24.53) v1(53.03,3.62) v1(53.13,60.22) v1(53.08,34.72) v1(53.23,17.83) v1(53.43,31.62) v1(54.03,30.03) v1(54.36,34.72) v1(54.53,63.22) v1(54.53,31.62) v1(54.62,65.09) v1(54.62,1.59) v1(54.83,17.92) v1(54.85,3.62) v1(55.65,34.72) v1(55.83,56.42) v1(55.83,14.62) v1(56.18,24.92) v1(56.68,3.62) v1(56.96,58.42) v1(56.93,34.72) v1(56.98,26.58) v1(57.06,24.92) v1(57.16,75.25) v1(57.16,67.63) v1(57.16,65.09) v1(57.16,57.47) v1(57.18,56.42) v1(57.33,10.83) v1(57.4,29.72) v1(57.53,42.03) v1(57.88,58.42) v1(57.93,24.92) v1(58.18,26.58) v1(58.43,29.72) v1(58.43,14.42) v1(58.53,56.42) v1(58.5,3.62) v1(58.83,61.12) v1(58.81,58.42) v1(58.93,11.22) v1(59.53,64.28) v1(59.63,42.72) v1(59.73,9.93) v1(59.7,1.12) v1(60.06,11.22) v1(60.33,3.62) v1(60.53,19.28) v1(60.63,42.72) v1(60.83,8.93) v1(61.02,1.12) v1(61.23,28.83) v1(61.2,11.22) v1(61.33,4.62) v1(61.93,26.83) v1(61.93,24.62) v1(62.03,56.03) v1(62.03,28.83) v1(62.24,75.25) v1(62.23,5.03) v1(62.24,4.13) v1(62.33,11.22) v1(62.33,7.82) v1(62.34,1.12) v1(62.73,36.62) v1(63.33,8.62) v1(63.33,7.82) v1(63.43,54.83) v1(63.43,5.03) v1(63.66,1.12) v1(63.93,23.33) v1(64.23,7.93) v1(64.63,5.03) v1(64.73,22.53) v1(64.78,4.13) v1(64.98,1.12) v1(65.53,9.12) v1(65.83,5.03) v1(65.93,23.92) v1(66.25,22.53) v1(66.31,1.12) v1(67.03,8.72) v1(67.03,6.12) v1(67.32,75.25) v1(67.32,4.13) v1(67.53,7.22) v1(67.63,1.12) v1(68.95,1.12) v1(69.86,4.13) v1(70.27,1.12) v1(71.59,1.12) v1(72.4,6.67) v1(72.4,4.13) v1(72.7,60.09) v1(72.8,62.74) v1(72.91,1.12) v1(73.23,60.11) v1(73.36,62.75) v1(73.83,13.33) v1(73.98,15.22) v1(74.13,31.22) v1(74.23,1.12) v1(74.65,15.22) v1(74.94,75.25) v1(74.98,62.33) v1(75.05,29.11) v1(75.63,13.39) v1(75.71,15.22) v1(76.07,62.27) v1(76.07,60.47) v1(76.05,46.86) v1(76.03,44.88) v1(76.07,30.81) v1(76.11,29.11) v1(76.41,13.39) v1(76.49,15.22) v1(76.85,62.27) v1(76.85,60.47) v1(76.83,46.86) v1(76.81,44.88) v1(76.85,30.81) v1(76.89,29.11) v1(77.48,75.25) v1(77.48,72.71) v1(77.48,70.17) v1(77.48,37.15) v1(77.48,34.61) v1(77.48,21.91) v1(77.48,19.37) v1(77.48,9.21) v1(77.48,6.67) v1(77.48,4.13) v1(77.48,1.59) v1(77.98,62.53) v1(77.94,46.78) v1(77.94,44.72) v1(77.96,30.97) v1(77.96,29.03) v1(78.04,60.42) v1(77.99,15.28) v1(78,13.28) v1(78.73,62.53) v1(78.69,46.78) v1(78.69,44.72) v1(78.71,30.97) v1(78.71,29.03) v1(78.74,15.28) v1(78.75,13.28) v1(78.79,60.42) v1(79.75,46.78) v1(79.75,44.72) v1(79.77,30.97) v1(79.77,29.03) v1(79.79,62.53) v1(79.85,60.42) v1(79.8,15.28) v1(79.81,13.28) v1(80.03,56.87) v1(80.03,55.55) v1(80.03,54.22) v1(80.03,52.9) v1(80.02,49.85) v1(80.02,34.61) v1(80.02,19.37) v1(80.13,75.72) v1(80.13,74.38) v1(80.13,73.04) v1(80.13,71.7) v1(80.13,70.35) v1(80.13,69.01) v1(80.13,67.67) v1(80.13,66.33) v1(80.13,41.37) v1(80.13,40.05) v1(80.13,38.72) v1(80.13,37.4) v1(80.63,25.57) v1(80.63,24.25) v1(80.63,22.92) v1(80.63,21.6) v1(80.73,9.62) v1(80.73,8.3) v1(80.73,6.98) v1(80.73,5.66) v1(80.73,4.34) v1(80.73,3.02) v1(80.73,1.7) v2(58.18,54.83) v2(58.18,23.37)